# Altium PCB GE21_M1_pku_f100.PcbDoc (part 6 of 19) (continued)
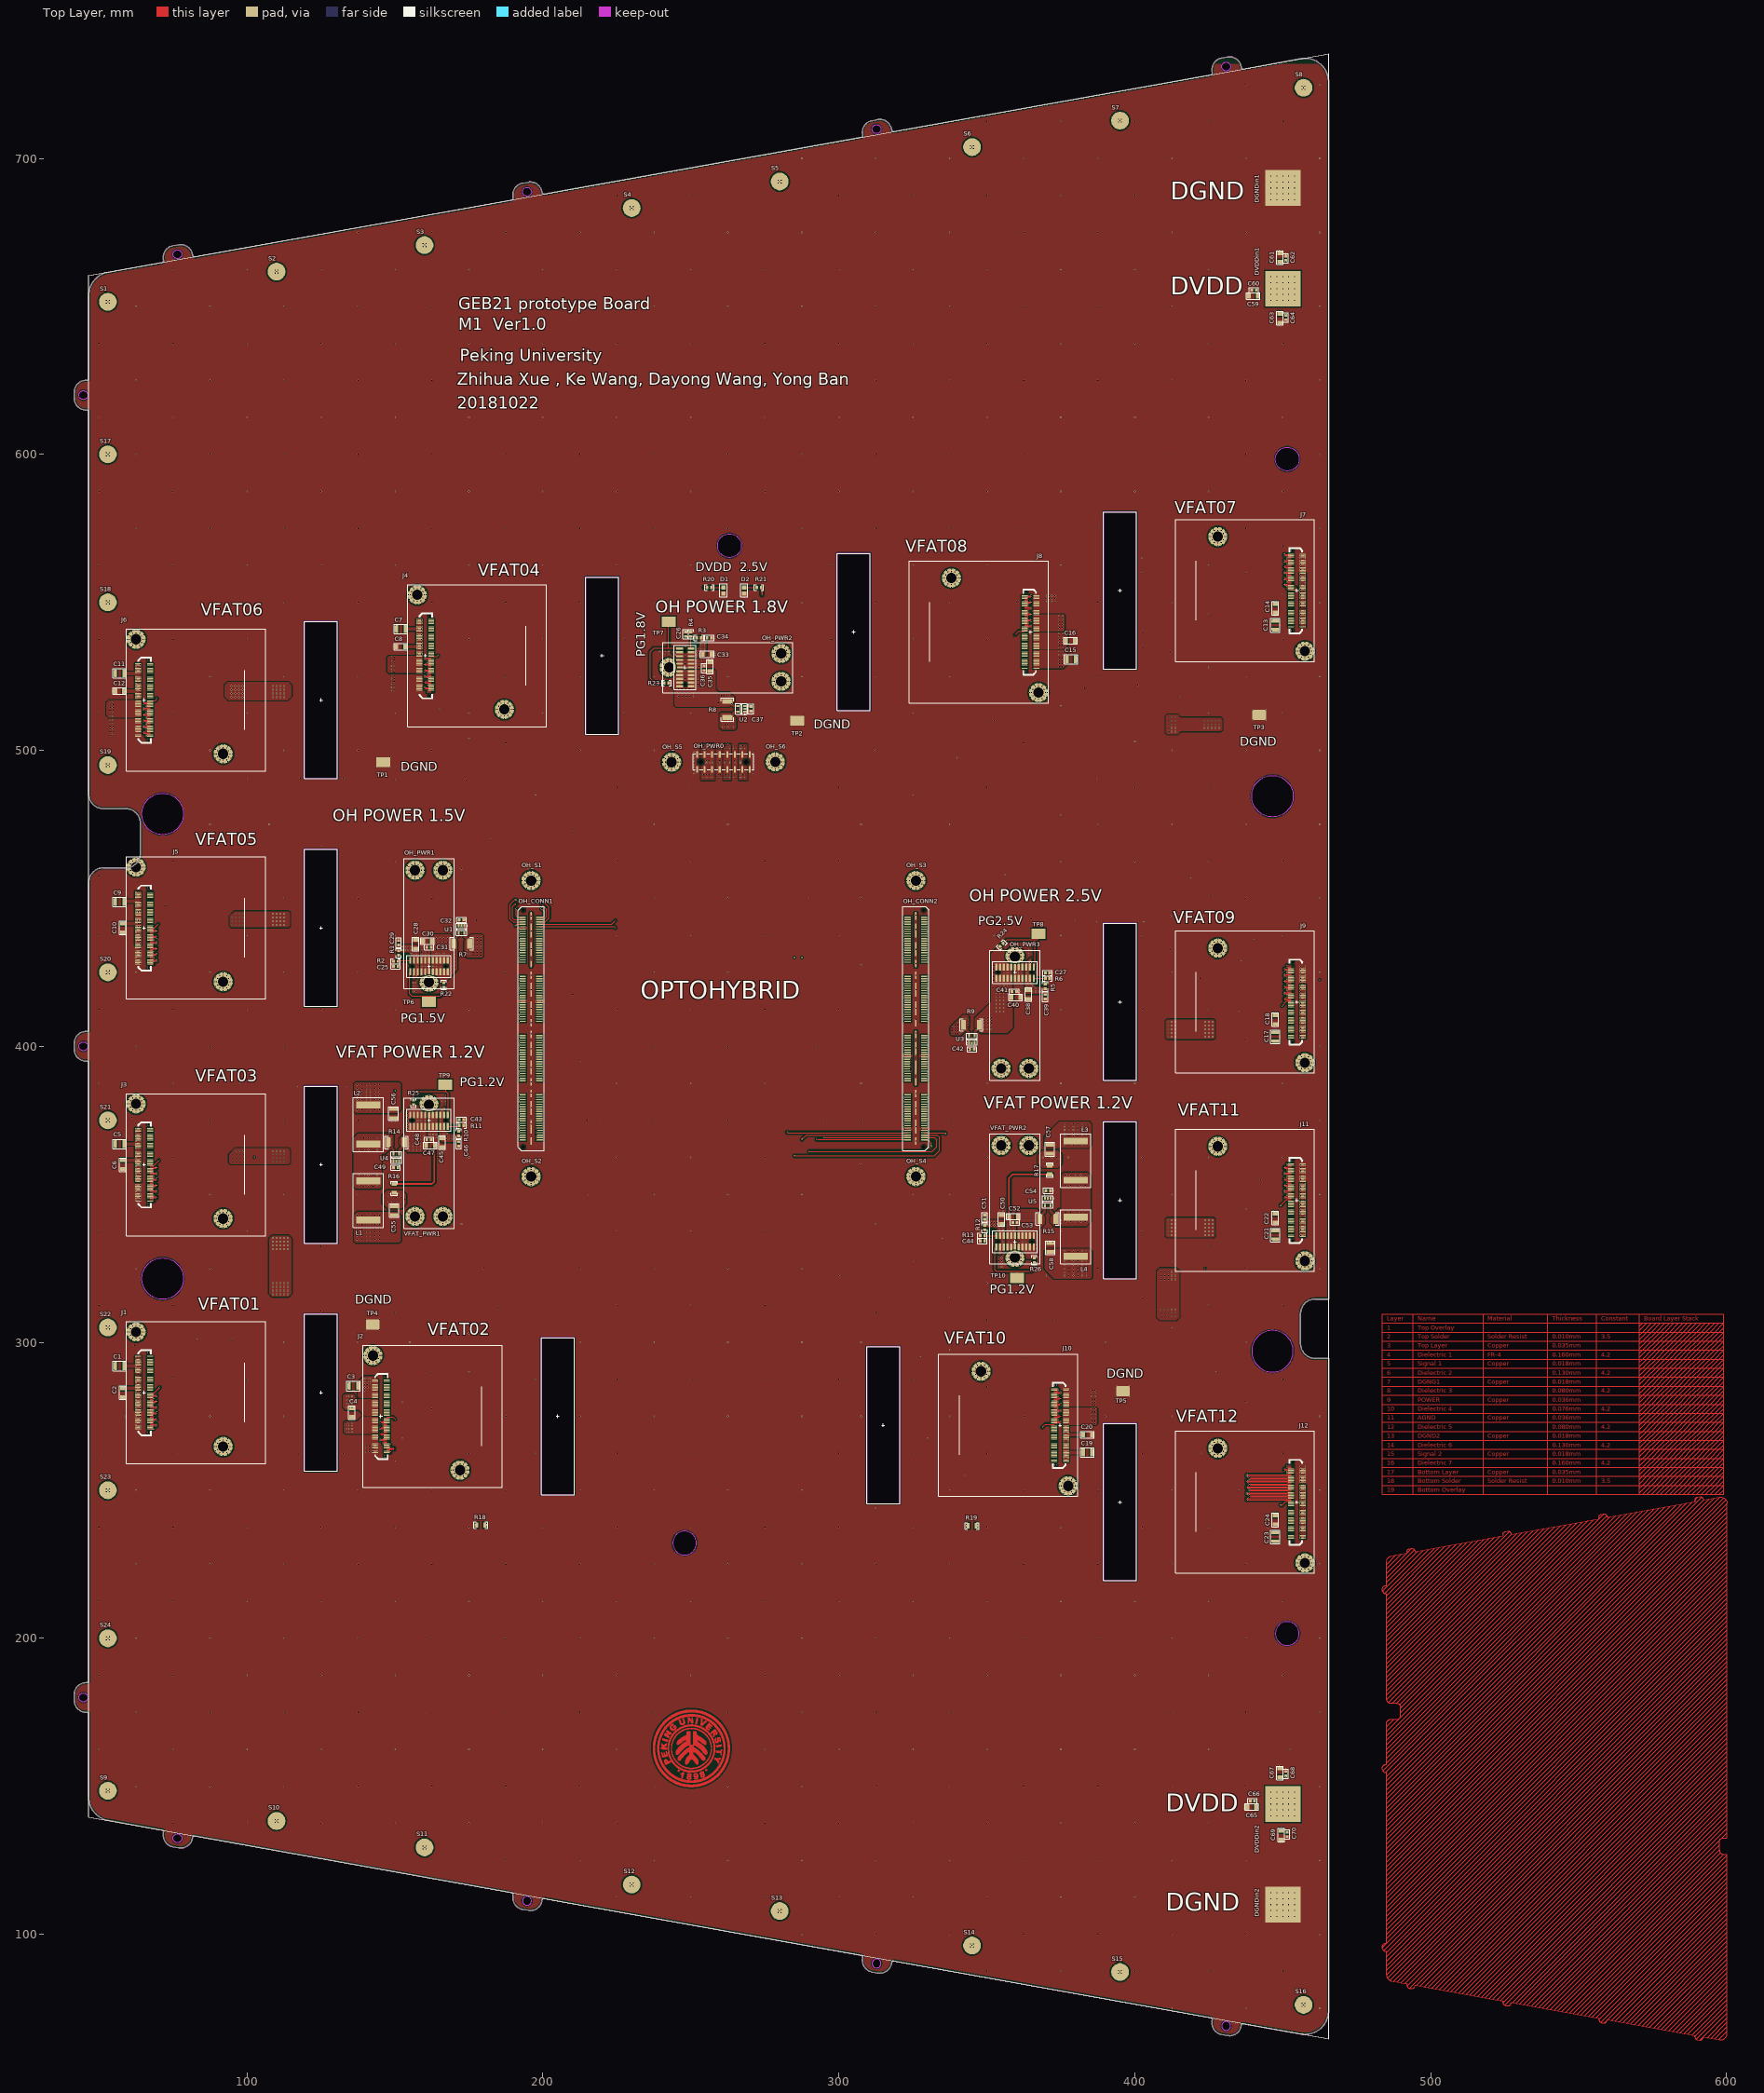
[diagram p0: Top Layer view]
## Nets (pads, with @x,y where several pads share a name; then routed paths per layer and width w, separated by ;. In a path a pad name is that pad's centre, name@x,y a point inside that pad or via, vN(x,y) a via of type N, cw(c..) or ccw(c..) an arc to the next point about the centre after c; other vN are vias at no path point) (continued)
J7D5_N: J7.76 OH_CONN2.136 | length 182.5
  Top Layer w0.115: v5(450.5,560.3) ccw(c450.802,560.602) 450.802,560.175 451.625,560.175 451.7,560.25 J7.76@452.75,560.25
  Signal 2 w0.115: v6(330,434) ccw(c330.543,434.543) 330.543,433.775 332.96,433.775 ccw(c332.96,436.315) 335.5,436.315 335.5,447.298 cw(c338.39,447.298) 336.346,449.341 446.334,559.329 ; 446.334,559.329 cw(c448.377,557.285) 448.377,560.175 450.198,560.175 ccw(c450.198,560.602) v5(450.5,560.3)
  other v4: 450.43,560.3 450.57,560.3
J7D5_P: J7.74 OH_CONN2.134 | length 182.5
  Top Layer w0.115: v5(450.5,559.7) cw(c450.802,559.398) 450.802,559.825 451.625,559.825 451.7,559.75 J7.74@452.75,559.75
  Signal 2 w0.115: v6(330,433.2) cw(c330.543,432.657) 330.543,433.425 332.96,433.425 ccw(c332.96,436.315) 335.85,436.315 335.85,447.298 cw(c338.39,447.298) 336.594,449.094 416.5,529 446.581,559.081 cw(c448.377,557.285) 448.377,559.825 450.198,559.825 cw(c450.198,559.398) v5(450.5,559.7)
  other v4: 450.43,559.7 450.57,559.7
J7D6_N: J7.80 OH_CONN2.140 | length 181.6
  Top Layer w0.25: v5(451.5,561.3) 451.55,561.25 J7.80@452.75,561.25
  Signal 2 w0.115: v6(330,435.6) ccw(c330.543,436.143) 330.543,435.375 331.96,435.375 ccw(c331.96,437.915) 334.5,437.915 334.5,447.803 cw(c337.39,447.803) 335.346,449.846 395.85,510.35 395.855,510.35 445.834,560.329 cw(c447.877,558.285) 447.877,561.175 451.198,561.175 ccw(c451.198,561.602) v5(451.5,561.3)
  other v4: 451.43,561.3
J7D6_P: J7.78 OH_CONN2.138 | length 181.6
  Top Layer w0.25: v5(451.5,560.7) 451.55,560.75 J7.78@452.75,560.75
  Signal 2 w0.115: v6(330,434.8) cw(c330.543,434.257) 330.543,435.025 331.96,435.025 ccw(c331.96,437.915) 334.85,437.915 334.85,447.803 cw(c337.39,447.803) 335.594,449.599 395.995,510 396,510 446.081,560.081 cw(c447.877,558.285) 447.877,560.825 451.198,560.825 cw(c451.198,560.398) v5(451.5,560.7)
  other v4: 451.43,560.7
J7D7_N: J7.84 OH_CONN2.144 | length 180.8
  Top Layer w0.115: v5(450.5,562.3) ccw(c450.802,562.602) 450.802,562.175 451.625,562.175 451.7,562.25 J7.84@452.75,562.25
  Signal 2 w0.115: v6(330,437.2) ccw(c330.543,437.743) 330.543,436.975 331,436.975 ccw(c331,439.475) 333.5,439.475 333.5,448.303 cw(c336.39,448.303) 334.346,450.346 395.35,511.35 395.355,511.35 429.505,545.5 445.334,561.329 cw(c447.377,559.285) 447.377,562.175 450.198,562.175 ccw(c450.198,562.602) v5(450.5,562.3)
  other v4: 450.43,562.3 450.57,562.3
J7D7_P: J7.82 OH_CONN2.142 | length 180.8
  Top Layer w0.115: v5(450.5,561.7) cw(c450.802,561.398) 450.802,561.825 451.625,561.825 451.7,561.75 J7.82@452.75,561.75
  Signal 2 w0.115: v6(330,436.4) cw(c330.543,435.857) 330.543,436.625 331,436.625 ccw(c331,439.475) 333.85,439.475 333.85,448.303 cw(c336.39,448.303) 334.594,450.099 395.495,511 395.5,511 445.581,561.081 cw(c447.377,559.285) 447.377,561.825 450.198,561.825 cw(c450.198,561.398) v5(450.5,561.7)
  other v4: 450.43,561.7 450.57,561.7
J7D8_N: J7.88 OH_CONN2.148 | length 180.3
  Top Layer w0.25: v5(451.5,563.3) 451.55,563.25 J7.88@452.75,563.25
  Signal 2 w0.115: v6(330,438.8) ccw(c330.543,439.343) 330.543,438.575 331,438.575 ccw(c331,440.075) 332.5,440.075 332.5,448.803 cw(c335.39,448.803) 333.346,450.846 396.747,514.247 396.753,514.247 444.834,562.329 cw(c446.877,560.285) 446.877,563.175 451.375,563.175 ccw(c451.375,563.3) v5(451.5,563.3)
  other v4: 451.43,563.3
J7D8_P: J7.86 OH_CONN2.146 | length 180.3
  Top Layer w0.25: v5(451.5,562.7) 451.55,562.75 J7.86@452.75,562.75
  Signal 2 w0.115: v6(330,438) cw(c330.543,437.457) 330.543,438.225 331,438.225 ccw(c331,440.075) 332.85,440.075 332.85,448.803 cw(c335.39,448.803) 333.594,450.599 396.892,513.897 396.897,513.897 445.081,562.081 cw(c446.877,560.285) 446.877,562.825 451.375,562.825 cw(c451.375,562.7) v5(451.5,562.7)
  other v4: 451.43,562.7
J7Reset: J7.52 OH_CONN2.6 | length 413.9
  Top Layer w0.2: v1(285,363) 332.25,363 334,364.75 334,369.25 333.25,370 OH_CONN2.6@328.865,370 ; J7.52@452.75,554.25 454.25,554.25 454.75,554.75 v1(454.75,555)
  Signal 1 w0.2: v1(285,430) 285,438 285,482.5 317.75,515.25 387.5,585 437.75,585 454.75,568 v1(454.75,555)
  Signal 2 w0.2: v1(285,363) 285,410 v1(285,430)
J7RXD_N: J7.96 OH_CONN2.156 | length 234.6
  Top Layer w0.25: v5(451.5,565.3) 451.55,565.25 J7.96@452.75,565.25
  Signal 1 w0.115: v6(330,442) ccw(c330.543,442.543) 330.543,441.775 333.46,441.775 ccw(c333.46,444.315) 333.464,441.775 ccw(c333.46,444.315) 336,444.315 336,458.298 cw(c338.89,458.298) 336.846,460.341 365.635,489.13 ccw(c365.488,489.277) 365.696,489.277 ccw(c365.488,489.277) 365.635,489.424 365.293,489.767 cw(c365.687,490.162) 365.293,490.556 365.428,490.692 cw(c365.823,490.297) 366.218,490.692 367.444,489.465 ccw(c367.591,489.612) 367.739,489.465 367.874,489.601 ccw(c367.727,489.748) 367.935,489.748 ccw(c367.727,489.748) 367.874,489.895 366.647,491.122 cw(c367.042,491.516) 366.647,491.911 366.783,492.047 cw(c367.178,491.652) 367.572,492.047 368.799,490.82 ccw(c368.946,490.967) 369.094,490.82 369.229,490.955 ccw(c369.082,491.103) 369.29,491.103 ccw(c369.082,491.103) 369.229,491.25 368.002,492.476 cw(c368.397,492.871) 368.002,493.266 368.138,493.401 cw(c368.532,493.007) 368.927,493.401 370.154,492.175 ccw(c370.301,492.322) 370.448,492.175 370.584,492.31 ccw(c370.437,492.457) 370.645,492.457 ccw(c370.437,492.457) 370.584,492.605 369.357,493.831 cw(c369.752,494.226) 369.357,494.621 369.493,494.756 cw(c369.887,494.361) 370.282,494.756 371.509,493.53 ccw(c371.656,493.677) 371.803,493.53 ; 371.803,493.53 371.939,493.665 ccw(c371.791,493.812) 372,493.812 ccw(c371.791,493.812) 371.939,493.959 370.712,495.186 cw(c371.107,495.581) 370.712,495.976 370.847,496.111 cw(c371.242,495.716) 371.637,496.111 372.864,494.884 ccw(c373.011,495.032) 373.158,494.884 373.293,495.02 ccw(c373.146,495.167) 373.354,495.167 ccw(c373.146,495.167) 373.293,495.314 372.067,496.541 cw(c372.461,496.936) 372.067,497.33 372.202,497.466 cw(c372.597,497.071) 372.992,497.466 374.218,496.239 ccw(c374.366,496.386) 374.513,496.239 374.648,496.375 ccw(c374.501,496.522) 374.709,496.522 ccw(c374.501,496.522) 374.648,496.669 373.422,497.896 cw(c373.816,498.29) 373.422,498.685 373.557,498.821 cw(c373.952,498.426) 374.346,498.821 375.573,497.594 ccw(c375.72,497.741) 375.868,497.594 376.003,497.729 ccw(c375.856,497.877) 376.064,497.877 ccw(c375.856,497.877) 376.003,498.024 374.776,499.251 cw(c375.171,499.645) 374.776,500.04 374.912,500.175 cw(c375.307,499.781) 375.701,500.175 376.928,498.949 ccw(c377.075,499.096) 377.222,498.949 377.358,499.084 ccw(c377.211,499.231) 377.419,499.231 ccw(c377.211,499.231) 377.358,499.379 376.131,500.605 cw(c376.526,501) 376.131,501.395 376.267,501.53 cw(c376.661,501.136) 377.056,501.53 378.283,500.304 ccw(c378.43,500.451) 378.577,500.304 378.713,500.439 ccw(c378.565,500.586) 378.774,500.586 ccw(c378.565,500.586) 378.713,500.733 377.486,501.96 cw(c377.881,502.355) 377.486,502.75 377.621,502.885 cw(c378.016,502.49) 378.411,502.885 379.638,501.658 ccw(c379.785,501.806) 379.932,501.658 380.068,501.794 ccw(c379.92,501.941) 380.129,501.941 ccw(c379.92,501.941) 380.068,502.088 378.841,503.315 cw(c379.236,503.71) 378.841,504.104 378.976,504.24 cw(c379.371,503.845) 379.766,504.24 380.992,503.013 ccw(c381.14,503.16) 381.287,503.013 ; 381.287,503.013 381.422,503.149 ccw(c381.275,503.296) 381.483,503.296 ccw(c381.275,503.296) 381.422,503.443 380.196,504.67 cw(c380.59,505.065) 380.196,505.459 380.331,505.595 cw(c380.726,505.2) 381.121,505.595 382.347,504.368 ccw(c382.494,504.515) 382.642,504.368 382.777,504.503 ccw(c382.63,504.651) 382.838,504.651 ccw(c382.63,504.651) 382.777,504.798 382.435,505.14 cw(c382.829,505.535) 382.435,505.93 392.509,516.004 cw(c394.552,513.96) 394.552,516.85 398.803,516.85 ccw(c398.803,519.39) 400.599,517.594 447.334,564.329 cw(c449.377,562.285) 449.377,565.175 451.198,565.175 ccw(c451.198,565.602) v5(451.5,565.3)
  other v4: 451.43,565.3
J7RXD_P: J7.94 OH_CONN2.154 | length 234.6
  Top Layer w0.25: v5(451.5,564.7) 451.55,564.75 J7.94@452.75,564.75
  Signal 1 w0.115: v6(330,441.2) cw(c330.543,440.657) 330.543,441.425 333.46,441.425 ccw(c333.46,444.315) 333.464,441.425 ccw(c333.46,444.315) 336.35,444.315 336.35,458.298 cw(c338.89,458.298) 337.094,460.094 365.883,488.883 ccw(c365.488,489.277) 366.046,489.277 ccw(c365.488,489.277) 365.883,489.672 365.54,490.014 cw(c365.687,490.162) 365.54,490.309 365.676,490.444 cw(c365.823,490.297) 365.97,490.444 367.197,489.218 ccw(c367.591,489.612) 367.986,489.218 368.122,489.353 ccw(c367.727,489.748) 368.285,489.748 ccw(c367.727,489.748) 368.122,490.142 366.895,491.369 cw(c367.042,491.516) 366.895,491.664 367.03,491.799 cw(c367.178,491.652) 367.325,491.799 368.552,490.572 ccw(c368.946,490.967) 369.341,490.572 369.476,490.708 ccw(c369.082,491.103) 369.64,491.103 ccw(c369.082,491.103) 369.476,491.497 368.25,492.724 cw(c368.397,492.871) 368.25,493.018 368.385,493.154 cw(c368.532,493.007) 368.68,493.154 369.906,491.927 ccw(c370.301,492.322) 370.696,491.927 ; 370.696,491.927 370.831,492.063 ccw(c370.437,492.457) 370.995,492.457 ccw(c370.437,492.457) 370.831,492.852 369.605,494.079 cw(c369.752,494.226) 369.605,494.373 369.74,494.509 cw(c369.887,494.361) 370.035,494.509 371.261,493.282 ccw(c371.656,493.677) 372.051,493.282 372.186,493.417 ccw(c371.791,493.812) 372.35,493.812 ccw(c371.791,493.812) 372.186,494.207 370.959,495.434 cw(c371.107,495.581) 370.959,495.728 371.095,495.864 cw(c371.242,495.716) 371.389,495.864 372.616,494.637 ccw(c373.011,495.032) 373.405,494.637 373.541,494.772 ; 372.45,497.218 372.314,497.083 ccw(c372.461,496.936) 372.314,496.788 373.541,495.562 cw(c373.146,495.167) 373.704,495.167 cw(c373.146,495.167) 373.541,494.772 ; 372.45,497.218 cw(c372.597,497.071) 372.744,497.218 373.971,495.992 ccw(c374.366,496.386) 374.76,495.992 374.896,496.127 ccw(c374.501,496.522) 375.059,496.522 ccw(c374.501,496.522) 374.896,496.917 373.669,498.143 cw(c373.816,498.29) 373.669,498.438 373.805,498.573 cw(c373.952,498.426) 374.099,498.573 375.326,497.346 ccw(c375.72,497.741) 376.115,497.346 376.251,497.482 ccw(c375.856,497.877) 376.414,497.877 ccw(c375.856,497.877) 376.251,498.271 375.024,499.498 cw(c375.171,499.645) 375.024,499.792 375.159,499.928 cw(c375.307,499.781) 375.454,499.928 376.68,498.701 ccw(c377.075,499.096) 377.47,498.701 377.605,498.837 ccw(c377.211,499.231) 377.769,499.231 ccw(c377.211,499.231) 377.605,499.626 376.379,500.853 cw(c376.526,501) 376.379,501.147 376.514,501.283 cw(c376.661,501.136) 376.809,501.283 378.035,500.056 ccw(c378.43,500.451) 378.825,500.056 378.96,500.192 ccw(c378.565,500.586) 379.124,500.586 ccw(c378.565,500.586) 378.96,500.981 377.734,502.208 cw(c377.881,502.355) 377.733,502.502 377.869,502.638 cw(c378.016,502.49) 378.163,502.638 379.39,501.411 ccw(c379.785,501.806) 380.18,501.411 380.315,501.546 ccw(c379.92,501.941) 380.479,501.941 ccw(c379.92,501.941) 380.315,502.336 379.088,503.562 cw(c379.236,503.71) 379.088,503.857 379.224,503.992 cw(c379.371,503.845) 379.518,503.992 380.745,502.766 ccw(c381.14,503.16) 381.534,502.766 381.67,502.901 ccw(c381.275,503.296) 381.833,503.296 ccw(c381.275,503.296) 381.67,503.691 380.443,504.917 cw(c380.59,505.065) 380.443,505.212 380.579,505.347 cw(c380.726,505.2) 380.873,505.347 382.1,504.121 ccw(c382.494,504.515) 382.889,504.121 383.024,504.256 ccw(c382.63,504.651) 383.188,504.651 ccw(c382.63,504.651) 383.025,505.045 382.682,505.388 cw(c382.829,505.535) 382.682,505.682 392.756,515.756 cw(c394.552,513.96) 394.552,516.5 398.803,516.5 ccw(c398.803,519.39) 400.846,517.346 447.581,564.081 cw(c449.377,562.285) 449.377,564.825 451.198,564.825 cw(c451.198,564.398) v5(451.5,564.7)
  other v4: 451.43,564.7
J7Strobe_N: J7.56 OH_CONN2.116 | length 187.6
  Top Layer w0.25: v5(451.5,555.3) 451.55,555.25 J7.56@452.75,555.25
  Signal 2 w0.115: v6(330,422) ccw(c330.543,422.543) 330.543,421.775 332.25,421.775 ccw(c332.25,424.25) 334,422.5 339.756,428.256 ccw(c337.96,430.052) 340.5,430.052 340.5,444.798 cw(c343.39,444.798) 341.346,446.841 448.834,554.329 cw(c450.877,552.285) 450.877,555.175 451.198,555.175 ccw(c451.198,555.602) v5(451.5,555.3)
  other v4: 451.43,555.3
J7Strobe_P: J7.54 OH_CONN2.114 | length 187.6
  Top Layer w0.25: v5(451.5,554.7) 451.55,554.75 J7.54@452.75,554.75
  Signal 2 w0.115: v6(330,421.2) cw(c330.543,420.657) 330.543,421.425 332.25,421.425 ccw(c332.25,424.25) 334.247,422.253 340.004,428.009 ; 340.004,428.009 ccw(c337.96,430.052) 340.85,430.052 340.85,444.798 cw(c343.39,444.798) 341.594,446.594 437.25,542.25 449.081,554.081 cw(c450.877,552.285) 450.877,554.825 451.198,554.825 cw(c451.198,554.398) v5(451.5,554.7)
  other v4: 451.43,554.7
J7TXD_N: J7.92 OH_CONN2.152 | length 180.1
  Top Layer w0.115: v5(450.5,564.3) ccw(c450.802,564.602) 450.802,564.175 451.625,564.175 451.7,564.25 J7.92@452.75,564.25
  Signal 1 w0.115: v6(330,440.4) ccw(c330.543,440.943) 330.543,440.175 334.46,440.175 ccw(c334.46,442.715) 337,442.715 337,451.298 cw(c339.89,451.298) 337.846,453.341 447.834,563.329 cw(c449.877,561.285) 449.877,564.175 450.198,564.175 ccw(c450.198,564.602) v5(450.5,564.3)
  other v4: 450.43,564.3 450.57,564.3
J7TXD_P: J7.90 OH_CONN2.150 | length 180.1
  Top Layer w0.115: v5(450.5,563.7) cw(c450.802,563.398) 450.802,563.825 451.625,563.825 451.7,563.75 J7.90@452.75,563.75
  Signal 1 w0.115: v6(330,439.6) cw(c330.543,439.057) 330.543,439.825 334.46,439.825 ccw(c334.46,442.715) 337.35,442.715 337.35,451.298 cw(c339.89,451.298) 338.094,453.094 448.081,563.081 cw(c449.877,561.285) 449.877,563.825 450.198,563.825 cw(c450.198,563.398) v5(450.5,563.7)
  other v4: 450.43,563.7 450.57,563.7
J8CLK_N: J8.100 OH_CONN2.159 | length 234.6
  Top Layer w0.115: J8.100@362.75,552.25 363.8,552.25 363.875,552.175 364.698,552.175 ccw(c364.698,552.602) v5(365,552.3)
  Signal 1 w0.115: v6(322,443.6) cw(c321.457,444.143) 321.457,443.375 321,443.375 cw(c321,445.375) 319,445.375 319,486.953 cw(c321.54,486.953) 319.744,488.749 324.654,493.66 cw(c324.802,493.512) 324.949,493.66 325.297,493.311 ccw(c325.692,493.706) 326.087,493.311 326.222,493.446 ccw(c325.828,493.841) 326.386,493.841 ccw(c325.828,493.841) 326.222,494.236 325.603,494.855 324.983,495.475 cw(c325.131,495.622) 324.983,495.769 325.119,495.905 cw(c325.266,495.758) 325.413,495.905 326.652,494.666 ccw(c327.047,495.061) 327.442,494.666 327.577,494.801 ccw(c327.182,495.196) 327.741,495.196 ccw(c327.182,495.196) 327.577,495.591 326.338,496.83 cw(c326.485,496.977) 326.338,497.124 326.474,497.259 cw(c326.621,497.112) 326.768,497.26 328.007,496.021 ccw(c328.402,496.415) 328.796,496.021 328.932,496.156 ccw(c328.537,496.551) 329.095,496.551 ccw(c328.537,496.551) 328.932,496.946 327.693,498.184 cw(c327.84,498.332) 327.693,498.479 327.829,498.614 cw(c327.976,498.467) 328.123,498.614 329.362,497.375 ccw(c329.757,497.77) 330.151,497.375 330.287,497.511 ccw(c329.892,497.906) 330.45,497.906 ccw(c329.892,497.906) 330.287,498.3 329.048,499.539 cw(c329.195,499.686) 329.048,499.834 329.183,499.969 cw(c329.331,499.822) 329.478,499.969 330.717,498.73 ccw(c331.111,499.125) 331.506,498.73 331.642,498.866 ccw(c331.247,499.26) 331.805,499.26 ccw(c331.247,499.26) 331.642,499.655 330.403,500.894 cw(c330.55,501.041) 330.403,501.189 330.538,501.324 cw(c330.685,501.177) 330.833,501.324 332.071,500.085 ccw(c332.466,500.48) 332.861,500.085 332.996,500.221 ccw(c332.602,500.615) 333.16,500.615 ccw(c332.602,500.615) 332.996,501.01 331.757,502.249 cw(c331.905,502.396) 331.757,502.543 331.893,502.679 cw(c332.04,502.532) 332.187,502.679 333.426,501.44 ccw(c333.821,501.835) 334.216,501.44 334.351,501.575 ccw(c333.956,501.97) 334.515,501.97 ccw(c333.956,501.97) 334.351,502.365 333.112,503.604 cw(c333.26,503.751) 333.112,503.898 333.248,504.034 cw(c333.395,503.886) 333.542,504.034 334.781,502.795 ccw(c335.176,503.189) 335.571,502.795 335.706,502.93 ccw(c335.311,503.325) 335.869,503.325 ccw(c335.311,503.325) 335.706,503.72 334.467,504.959 cw(c334.614,505.106) 334.467,505.253 334.602,505.388 ; 334.603,505.388 cw(c334.75,505.241) 334.897,505.388 336.136,504.15 ccw(c336.531,504.544) 336.925,504.15 337.061,504.285 ccw(c336.666,504.68) 337.224,504.68 ccw(c336.666,504.68) 337.061,505.074 335.822,506.313 cw(c335.969,506.461) 335.822,506.608 335.957,506.743 cw(c336.105,506.596) 336.252,506.743 337.491,505.504 ccw(c337.885,505.899) 338.28,505.504 338.416,505.64 ccw(c338.021,506.035) 338.579,506.035 ccw(c338.021,506.035) 338.416,506.429 337.177,507.668 cw(c337.324,507.815) 337.177,507.963 337.312,508.098 cw(c337.459,507.951) 337.607,508.098 338.846,506.859 ccw(c339.24,507.254) 339.635,506.859 339.77,506.995 ccw(c339.376,507.389) 339.934,507.389 ccw(c339.376,507.389) 339.77,507.784 338.532,509.023 cw(c338.679,509.17) 338.532,509.317 338.667,509.453 cw(c338.814,509.306) 338.961,509.453 340.2,508.214 ccw(c340.595,508.609) 340.99,508.214 341.125,508.349 ccw(c340.731,508.744) 341.289,508.744 ccw(c340.731,508.744) 341.125,509.139 339.886,510.378 cw(c340.034,510.525) 339.886,510.672 340.022,510.808 cw(c340.169,510.66) 340.316,510.808 341.555,509.569 ccw(c341.95,509.964) 342.345,509.569 342.48,509.704 ccw(c342.085,510.099) 342.644,510.099 ccw(c342.085,510.099) 342.48,510.494 341.241,511.733 cw(c341.388,511.88) 341.241,512.027 341.377,512.163 cw(c341.524,512.015) 341.671,512.163 342.91,510.924 ccw(c343.305,511.318) 343.699,510.924 ; 343.7,510.924 343.835,511.059 ccw(c343.44,511.454) 343.998,511.454 ccw(c343.44,511.454) 343.835,511.849 342.596,513.087 cw(c342.743,513.235) 342.596,513.382 342.731,513.517 cw(c342.879,513.37) 343.026,513.517 344.265,512.278 ccw(c344.66,512.673) 345.054,512.278 345.19,512.414 ccw(c344.795,512.809) 345.353,512.809 ccw(c344.795,512.809) 345.19,513.203 343.951,514.442 cw(c344.098,514.589) 343.951,514.737 344.086,514.872 cw(c344.234,514.725) 344.381,514.872 345.62,513.633 ccw(c346.014,514.028) 346.409,513.633 346.544,513.769 ccw(c346.15,514.163) 346.708,514.163 ccw(c346.15,514.163) 346.545,514.558 345.306,515.797 cw(c345.453,515.944) 345.306,516.091 345.441,516.227 cw(c345.588,516.08) 345.736,516.227 346.974,514.988 ccw(c347.369,515.383) 347.764,514.988 347.899,515.124 ccw(c347.505,515.518) 348.063,515.518 ccw(c347.505,515.518) 347.899,515.913 346.66,517.152 cw(c346.808,517.299) 346.66,517.446 346.796,517.582 cw(c346.943,517.435) 347.09,517.582 348.329,516.343 ccw(c348.724,516.738) 349.119,516.343 349.254,516.478 ccw(c348.859,516.873) 349.418,516.873 ccw(c348.859,516.873) 349.254,517.268 348.015,518.507 cw(c348.162,518.654) 348.015,518.801 348.151,518.937 cw(c348.298,518.789) 348.445,518.937 349.684,517.698 ccw(c350.079,518.092) 350.473,517.698 350.609,517.833 ccw(c350.214,518.228) 350.772,518.228 ccw(c350.214,518.228) 350.609,518.623 349.37,519.861 cw(c349.517,520.009) 349.37,520.156 349.506,520.291 cw(c349.653,520.144) 349.8,520.291 351.039,519.053 ccw(c351.434,519.447) 351.828,519.053 351.964,519.188 ccw(c351.569,519.583) 352.127,519.583 ccw(c351.569,519.583) 351.964,519.977 350.725,521.216 cw(c350.872,521.364) 350.725,521.511 350.86,521.646 cw(c351.008,521.499) 351.155,521.646 352.394,520.407 ccw(c352.788,520.802) 353.183,520.407 353.319,520.543 ccw(c352.924,520.938) 353.482,520.938 ccw(c352.924,520.938) 353.319,521.332 352.08,522.571 cw(c352.227,522.718) 352.08,522.866 352.215,523.001 cw(c352.362,522.854) 352.51,523.001 353.749,521.762 ccw(c354.143,522.157) 354.538,521.762 354.673,521.898 ccw(c354.279,522.292) 354.837,522.292 ccw(c354.279,522.292) 354.673,522.687 353.435,523.926 cw(c353.582,524.073) 353.435,524.22 353.57,524.356 cw(c353.717,524.209) 353.864,524.356 355.103,523.117 ccw(c355.498,523.512) 355.893,523.117 356.028,523.252 ccw(c355.634,523.647) 356.192,523.647 ccw(c355.634,523.647) 356.028,524.042 355.68,524.39 cw(c355.827,524.538) 355.68,524.685 368.004,537.009 ccw(c365.96,539.052) 368.85,539.052 368.85,549.325 ccw(c366,549.325) 366,552.175 365.302,552.175 cw(c365.302,552.602) v5(365,552.3)
  other v4: 364.93,552.3 365.07,552.3
J8CLK_P: J8.98 OH_CONN2.157 | length 234.6
  Top Layer w0.115: J8.98@362.75,551.75 363.8,551.75 363.875,551.825 364.698,551.825 cw(c364.698,551.398) v5(365,551.7)
  Signal 1 w0.115: v6(322,442.8) ccw(c321.457,442.257) 321.457,443.025 321,443.025 cw(c321,445.375) 318.65,445.375 318.65,486.953 cw(c321.54,486.953) 319.496,488.996 324.407,493.907 cw(c324.802,493.512) 325.196,493.907 325.545,493.558 ccw(c325.692,493.706) 325.839,493.558 ; 325.839,493.559 325.975,493.694 ccw(c325.828,493.841) 326.036,493.841 ccw(c325.828,493.841) 325.975,493.988 325.356,494.608 324.736,495.227 cw(c325.131,495.622) 324.736,496.017 324.871,496.152 cw(c325.266,495.758) 325.661,496.152 326.9,494.913 ccw(c327.047,495.061) 327.194,494.913 327.329,495.049 ccw(c327.182,495.196) 327.391,495.196 ccw(c327.182,495.196) 327.33,495.343 326.091,496.582 cw(c326.485,496.977) 326.091,497.372 326.226,497.507 cw(c326.621,497.112) 327.016,497.507 328.255,496.268 ccw(c328.402,496.415) 328.549,496.268 328.684,496.404 ccw(c328.537,496.551) 328.745,496.551 ccw(c328.537,496.551) 328.684,496.698 327.446,497.937 cw(c327.84,498.332) 327.446,498.726 327.581,498.862 cw(c327.976,498.467) 328.37,498.862 329.609,497.623 ccw(c329.757,497.77) 329.904,497.623 330.039,497.758 ccw(c329.892,497.906) 330.1,497.906 ccw(c329.892,497.906) 330.039,498.053 328.8,499.292 cw(c329.195,499.686) 328.8,500.081 328.936,500.217 cw(c329.331,499.822) 329.725,500.217 330.964,498.978 ccw(c331.111,499.125) 331.259,498.978 331.394,499.113 ccw(c331.247,499.26) 331.455,499.26 ccw(c331.247,499.26) 331.394,499.408 330.155,500.647 cw(c330.55,501.041) 330.155,501.436 330.291,501.571 cw(c330.685,501.177) 331.08,501.571 332.319,500.333 ccw(c332.466,500.48) 332.613,500.333 332.749,500.468 ccw(c332.602,500.615) 332.81,500.615 ccw(c332.602,500.615) 332.749,500.762 331.51,502.001 cw(c331.905,502.396) 331.51,502.791 331.645,502.926 cw(c332.04,502.532) 332.435,502.926 333.674,501.687 ccw(c333.821,501.835) 333.968,501.687 ; 333.968,501.688 334.104,501.823 ccw(c333.956,501.97) 334.165,501.97 ccw(c333.956,501.97) 334.104,502.117 332.865,503.356 cw(c333.26,503.751) 332.865,504.146 333,504.281 cw(c333.395,503.886) 333.79,504.281 335.029,503.042 ccw(c335.176,503.189) 335.323,503.042 335.459,503.178 ccw(c335.311,503.325) 335.519,503.325 ccw(c335.311,503.325) 335.459,503.472 334.839,504.091 ; 334.355,505.636 334.22,505.5 ccw(c334.614,505.106) 334.22,504.711 334.839,504.092 ; 334.355,505.636 cw(c334.75,505.241) 335.145,505.636 336.383,504.397 ccw(c336.531,504.544) 336.678,504.397 336.813,504.532 ccw(c336.666,504.68) 336.874,504.68 ccw(c336.666,504.68) 336.813,504.827 335.574,506.066 cw(c335.969,506.461) 335.574,506.855 335.71,506.991 ; 335.71,506.991 cw(c336.105,506.596) 336.499,506.991 337.738,505.752 ccw(c337.885,505.899) 338.033,505.752 338.168,505.887 ccw(c338.021,506.035) 338.229,506.035 ccw(c338.021,506.035) 338.168,506.182 336.929,507.421 cw(c337.324,507.815) 336.929,508.21 337.065,508.346 cw(c337.459,507.951) 337.854,508.346 339.093,507.107 ccw(c339.24,507.254) 339.387,507.107 339.523,507.242 ccw(c339.376,507.389) 339.584,507.389 ccw(c339.376,507.389) 339.523,507.537 338.284,508.775 cw(c338.679,509.17) 338.284,509.565 338.42,509.7 cw(c338.814,509.306) 339.209,509.7 340.448,508.461 ccw(c340.595,508.609) 340.742,508.461 340.878,508.597 ccw(c340.731,508.744) 340.939,508.744 ccw(c340.731,508.744) 340.878,508.891 339.639,510.13 cw(c340.034,510.525) 339.639,510.92 339.774,511.055 cw(c340.169,510.66) 340.564,511.055 341.803,509.816 ccw(c341.95,509.964) 342.097,509.816 342.233,509.952 ccw(c342.085,510.099) 342.294,510.099 ccw(c342.085,510.099) 342.233,510.246 340.994,511.485 cw(c341.388,511.88) 340.994,512.275 341.129,512.41 cw(c341.524,512.015) 341.919,512.41 343.157,511.171 ccw(c343.305,511.318) 343.452,511.171 343.587,511.307 ccw(c343.44,511.454) 343.648,511.454 ccw(c343.44,511.454) 343.587,511.601 342.349,512.84 cw(c342.743,513.235) 342.349,513.629 342.484,513.765 cw(c342.879,513.37) 343.273,513.765 344.512,512.526 ccw(c344.66,512.673) 344.807,512.526 344.942,512.661 ccw(c344.795,512.809) 345.003,512.809 ccw(c344.795,512.809) 344.942,512.956 343.703,514.195 cw(c344.098,514.589) 343.703,514.984 343.839,515.12 cw(c344.234,514.725) 344.628,515.12 345.867,513.881 ccw(c346.014,514.028) 346.162,513.881 346.297,514.016 ccw(c346.15,514.163) 346.358,514.163 ccw(c346.15,514.163) 346.297,514.311 345.058,515.55 cw(c345.453,515.944) 345.058,516.339 345.193,516.474 cw(c345.588,516.08) 345.983,516.474 347.222,515.236 ccw(c347.369,515.383) 347.516,515.236 347.652,515.371 ccw(c347.505,515.518) 347.713,515.518 ccw(c347.505,515.518) 347.652,515.665 346.413,516.904 cw(c346.808,517.299) 346.413,517.694 346.548,517.829 cw(c346.943,517.435) 347.338,517.829 348.577,516.59 ccw(c348.724,516.738) 348.871,516.59 349.007,516.726 ccw(c348.859,516.873) 349.068,516.873 ccw(c348.859,516.873) 349.007,517.02 347.768,518.259 cw(c348.162,518.654) 347.768,519.049 347.903,519.184 cw(c348.298,518.789) 348.693,519.184 349.932,517.945 ccw(c350.079,518.092) 350.226,517.945 350.361,518.081 ccw(c350.214,518.228) 350.422,518.228 ccw(c350.214,518.228) 350.361,518.375 349.123,519.614 cw(c349.517,520.009) 349.123,520.403 349.258,520.539 cw(c349.653,520.144) 350.047,520.539 351.286,519.3 ccw(c351.434,519.447) 351.581,519.3 351.716,519.435 ccw(c351.569,519.583) 351.777,519.583 ccw(c351.569,519.583) 351.716,519.73 350.477,520.969 cw(c350.872,521.364) 350.477,521.758 350.613,521.894 cw(c351.008,521.499) 351.402,521.894 352.641,520.655 ccw(c352.788,520.802) 352.936,520.655 353.071,520.79 ccw(c352.924,520.938) 353.132,520.938 ccw(c352.924,520.938) 353.071,521.085 351.832,522.324 cw(c352.227,522.718) 351.832,523.113 351.968,523.249 cw(c352.362,522.854) 352.757,523.249 353.996,522.01 ccw(c354.143,522.157) 354.29,522.01 354.426,522.145 ccw(c354.279,522.292) 354.487,522.292 ccw(c354.279,522.292) 354.426,522.44 353.187,523.678 cw(c353.582,524.073) 353.187,524.468 353.323,524.603 cw(c353.717,524.209) 354.112,524.603 355.351,523.364 ccw(c355.498,523.512) 355.645,523.364 355.781,523.5 ccw(c355.634,523.647) 355.842,523.647 ccw(c355.634,523.647) 355.781,523.794 355.432,524.143 cw(c355.827,524.538) 355.432,524.932 367.756,537.256 ccw(c365.96,539.052) 368.5,539.052 368.5,549.325 ccw(c366,549.325) 366,551.825 365.302,551.825 ccw(c365.302,551.398) v5(365,551.7)
  other v4: 364.93,551.7 365.07,551.7
J8D1_N: J8.60 OH_CONN2.119 | length 153.4
  Top Layer w0.115: J8.60@362.75,542.25 363.8,542.25 363.875,542.175 364.698,542.175 ccw(c364.698,542.602) v5(365,542.3)
  Signal 2 w0.115: v6(322,423.6) cw(c321.457,424.143) 321.457,423.375 314.54,423.375 cw(c314.54,425.915) 312,425.915 312,483.953 cw(c314.54,483.953) 312.744,485.749 365.504,538.509 ccw(c363.46,540.552) 366.35,540.552 366.35,541.325 ccw(c365.5,541.325) 365.5,542.175 365.302,542.175 cw(c365.302,542.602) v5(365,542.3)
  other v4: 364.93,542.3 365.07,542.3
J8D1_P: J8.58 OH_CONN2.117 | length 153.4
  Top Layer w0.115: J8.58@362.75,541.75 363.8,541.75 363.875,541.825 364.698,541.825 cw(c364.698,541.398) v5(365,541.7)
  Signal 2 w0.115: v6(322,422.8) ccw(c321.457,422.257) 321.457,423.025 314.54,423.025 cw(c314.54,425.915) 311.65,425.915 311.65,483.953 cw(c314.54,483.953) 312.496,485.996 357.5,531 365.256,538.756 ccw(c363.46,540.552) 366,540.552 366,541.325 ccw(c365.5,541.325) 365.5,541.825 365.302,541.825 ccw(c365.302,541.398) v5(365,541.7)
  other v4: 364.93,541.7 365.07,541.7
J8D2_N: J8.64 OH_CONN2.123 | length 148.3
  Top Layer w0.115: v4@363.95,543.25 v5(364,543.3)
  Top Layer w0.25: J8.64@362.75,543.25 v4@363.95,543.25
  Signal 2 w0.115: v6(322,429.2) cw(c321.457,429.743) 321.457,428.975 315.54,428.975 cw(c315.54,431.515) 313,431.515 313,483.453 cw(c315.54,483.453) 313.744,485.249 366.504,538.009 ccw(c364.46,540.052) 367.35,540.052 367.35,541.325 ccw(c365.5,541.325) 365.5,543.175 364.302,543.175 cw(c364.302,543.602) v5(364,543.3)
  other v4: 364.07,543.3
J8D2_P: J8.62 OH_CONN2.121 | length 148.3
  Top Layer w0.115: v4@363.95,542.75 v5(364,542.7)
  Top Layer w0.25: J8.62@362.75,542.75 v4@363.95,542.75
  Signal 2 w0.115: v6(322,428.4) ccw(c321.457,427.857) 321.457,428.625 315.54,428.625 cw(c315.54,431.515) 312.65,431.515 312.65,483.453 cw(c315.54,483.453) 313.496,485.496 364.753,536.753 366.256,538.256 ccw(c364.46,540.052) 367,540.052 367,541.325 ccw(c365.5,541.325) 365.5,542.825 364.302,542.825 ccw(c364.302,542.398) v5(364,542.7)
  other v4: 364.07,542.7
J8D3_N: J8.68 OH_CONN2.127 | length 147.3
  Top Layer w0.115: J8.68@362.75,544.25 363.8,544.25 363.875,544.175 364.698,544.175 ccw(c364.698,544.602) v5(365,544.3)
  Signal 2 w0.115: v6(322,430.8) cw(c321.457,431.343) 321.457,430.575 316.54,430.575 cw(c316.54,433.115) 314,433.115 314,482.953 cw(c316.54,482.953) 314.744,484.749 367.504,537.509 ccw(c365.46,539.552) 368.35,539.552 368.35,541.325 ccw(c365.5,541.325) 365.5,544.175 365.302,544.175 cw(c365.302,544.602) v5(365,544.3)
  other v4: 364.93,544.3 365.07,544.3